# Altium PCB TelemetryBoard.PcbDoc
Units mm, origin at the board's own origin, x right, y up, seen from the top; angles counter-clockwise.
Board outline 136.75 x 63.75 mm, 4 copper layers (Top Layer, Internal Plane 1, Internal Plane 2, Bottom Layer), stack 1.57 mm thick; 63 components, 63 nets, 330 pads, 67 vias.
Unrouted connection lines stored in the file: 6.
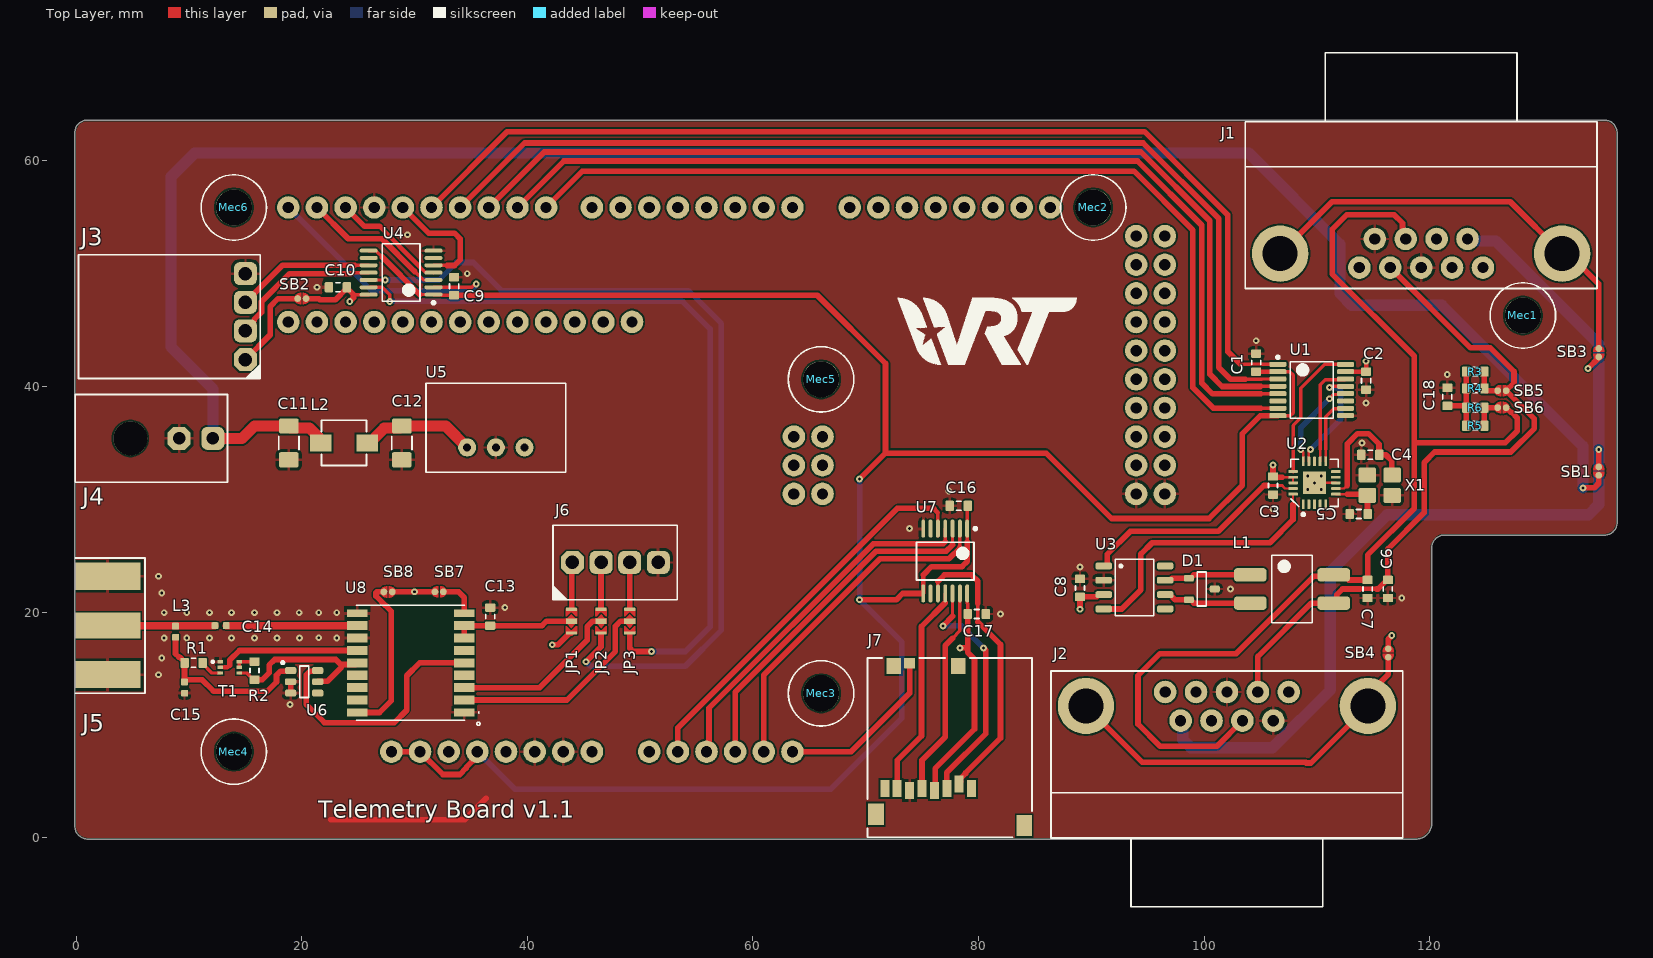
[diagram p0: Top Layer view]
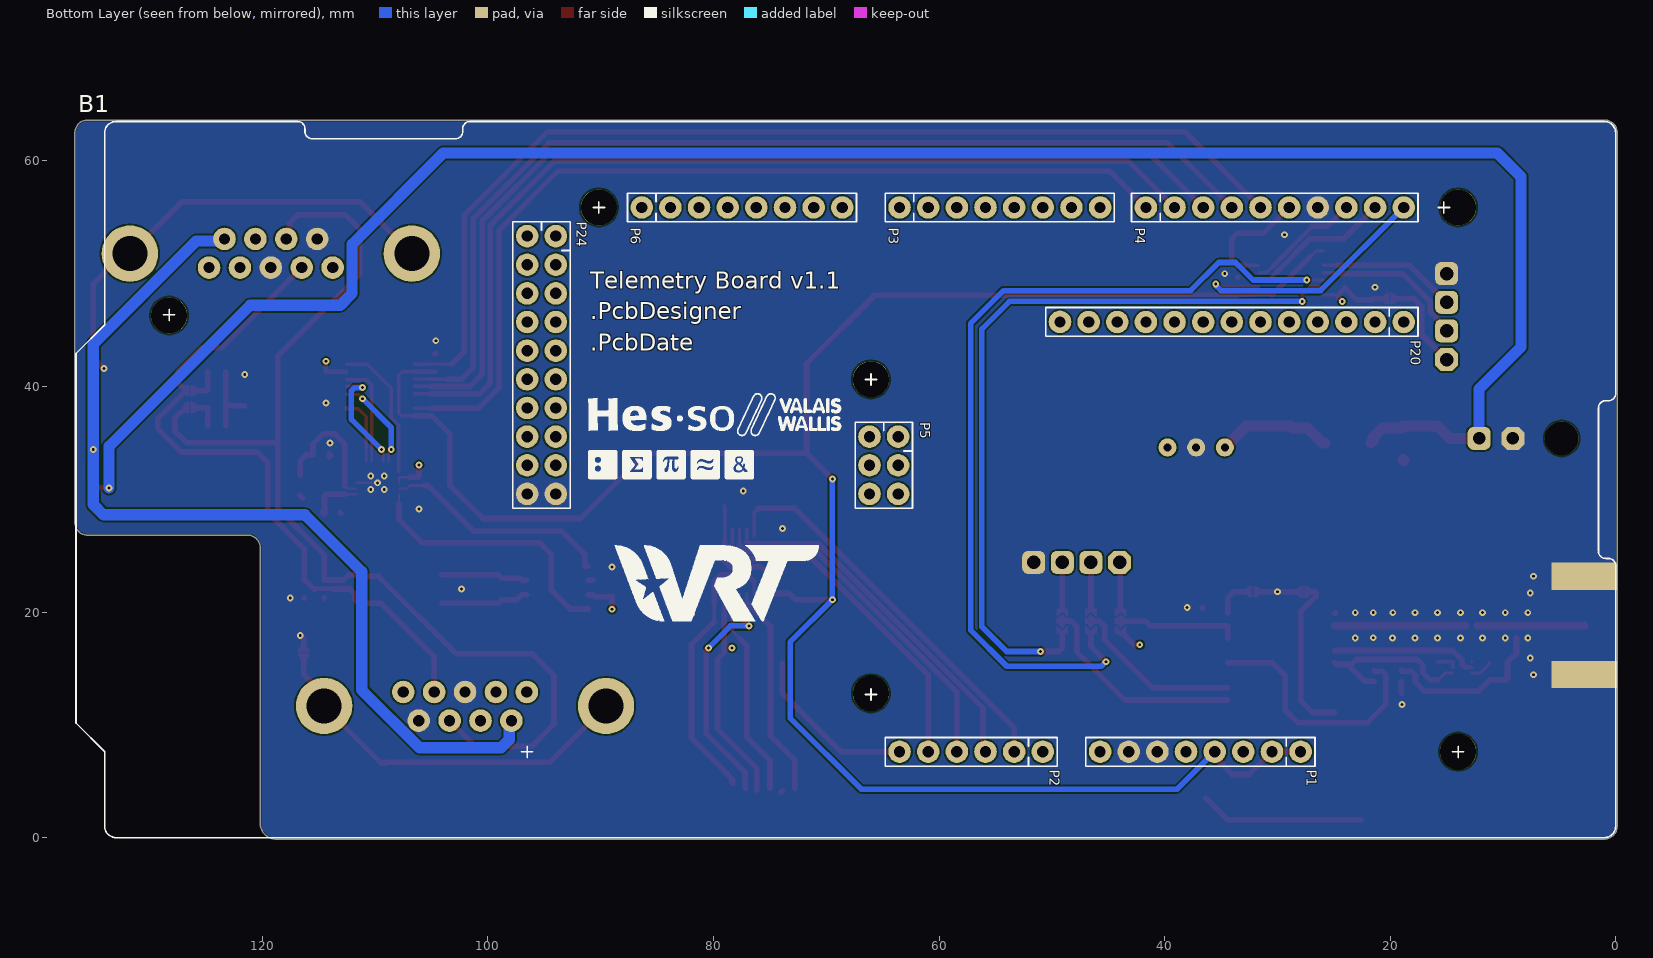
[diagram p1: Bottom Layer view, seen from below]
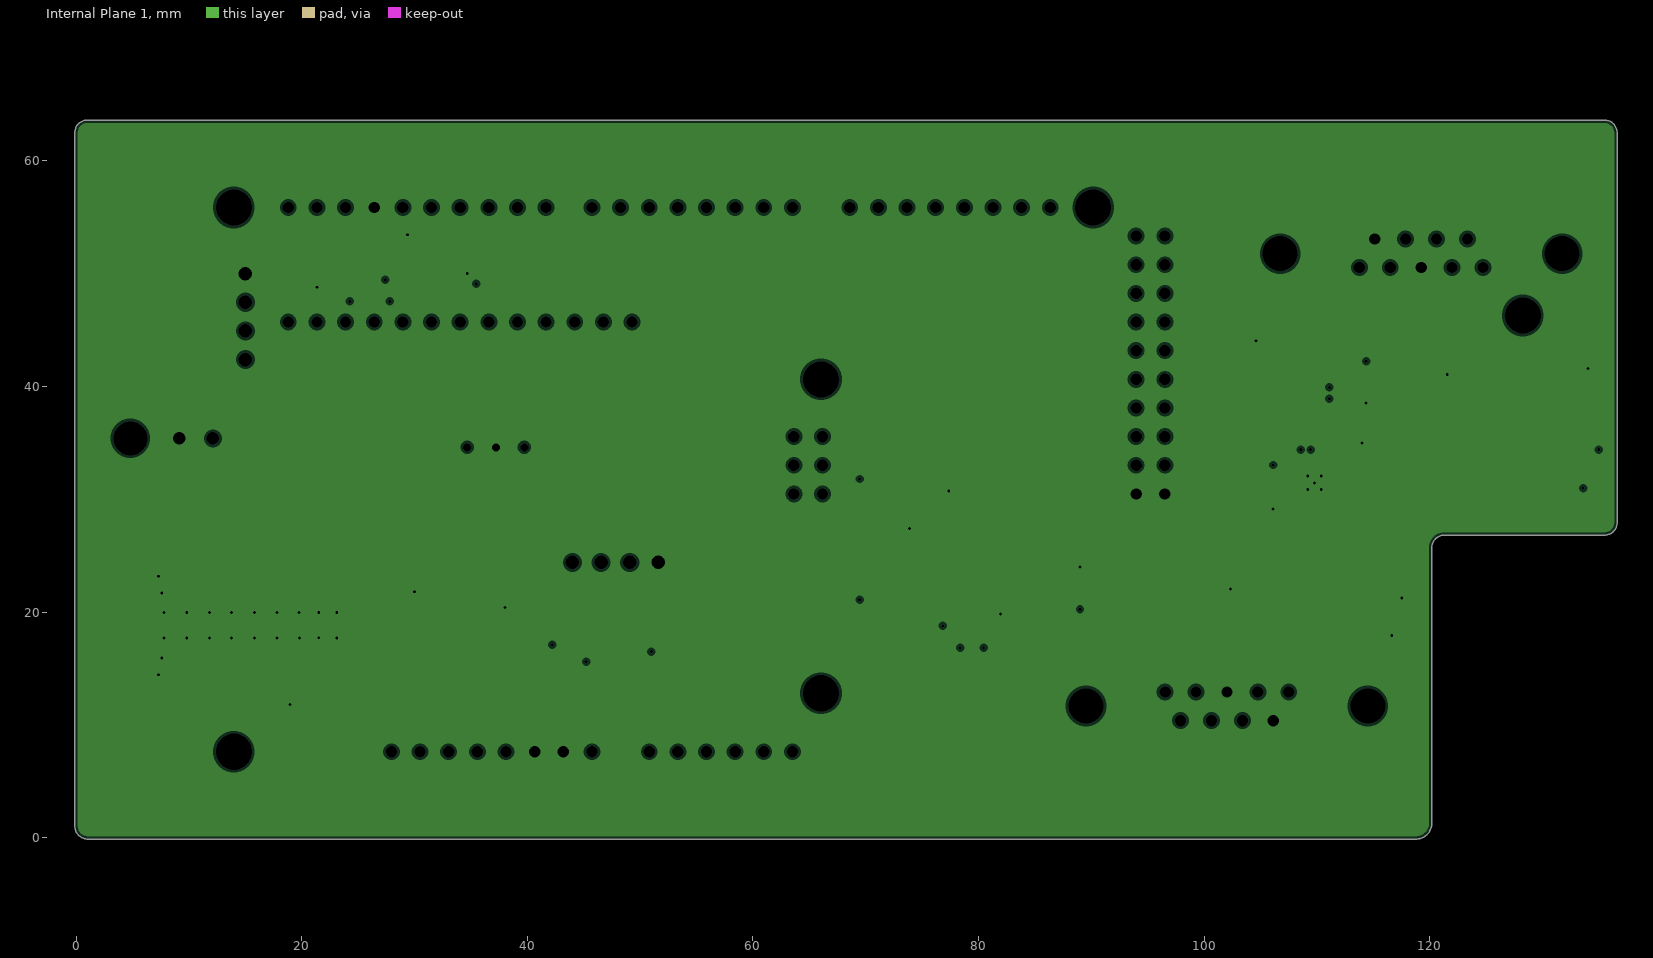
[diagram p2: Internal Plane 1, clearances drawn from the general rule]
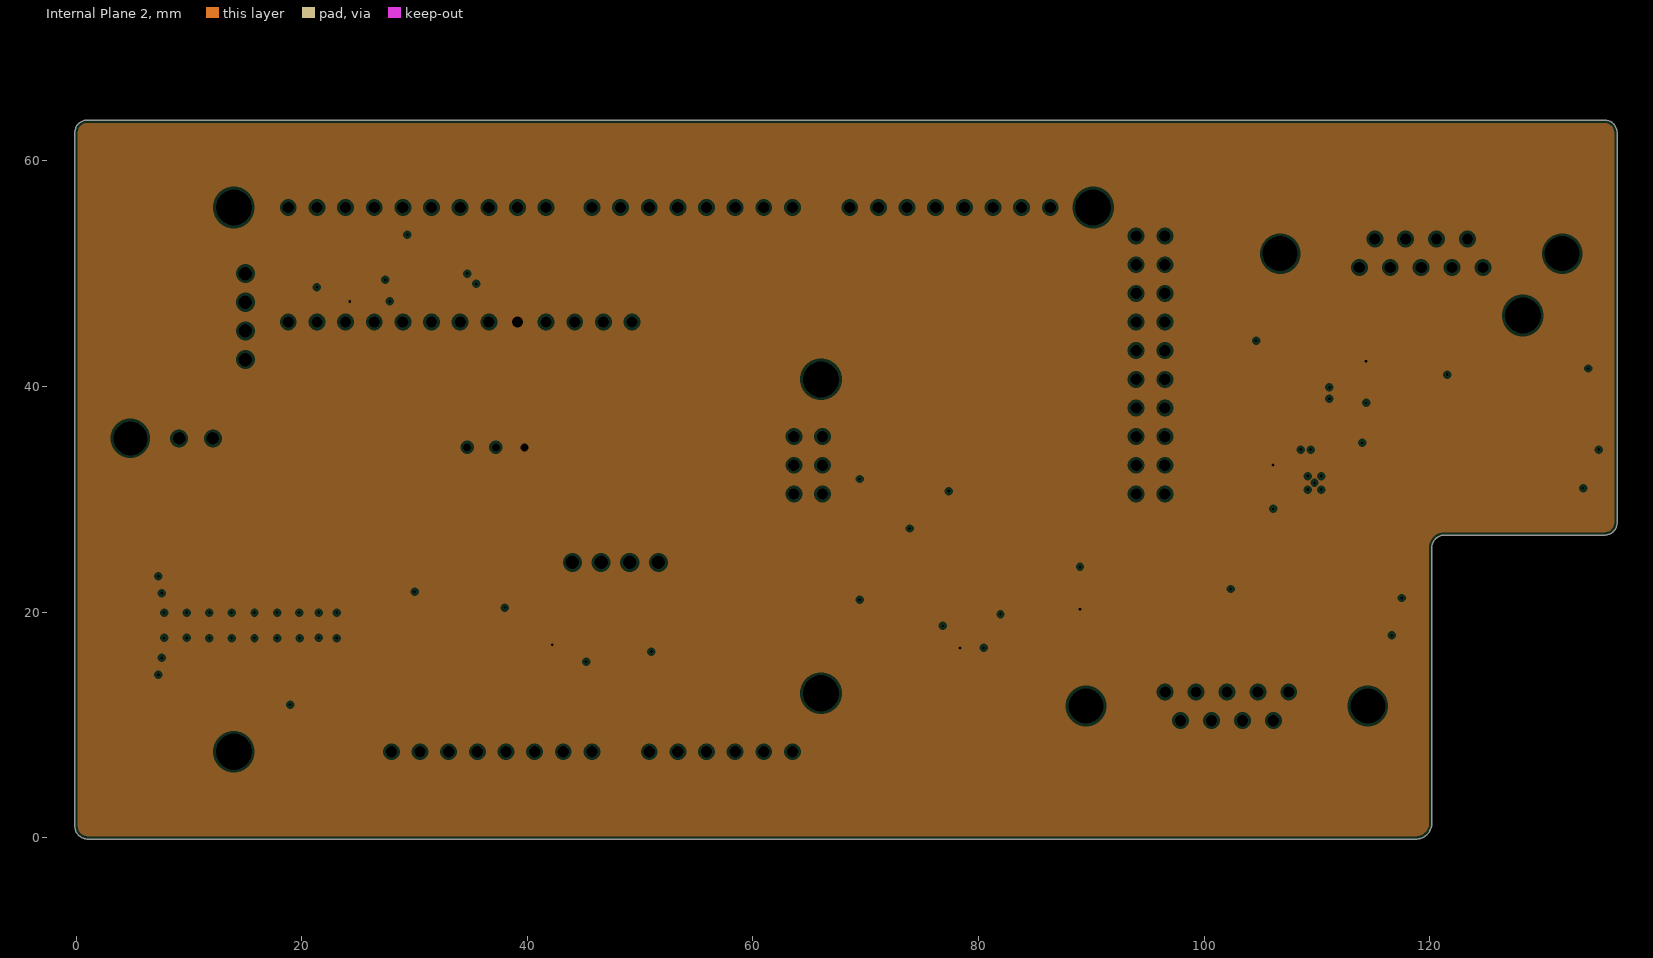
[diagram p3: Internal Plane 2, clearances drawn from the general rule]

## Layer stack, top to bottom
Top Solder: solder mask 0.01, Solder Resist, Dk 3.5
Top Layer: signal copper 0.035
Dielectric 1: prepreg 0.36, PR7826, Dk 4.32
Internal Plane 1: plane copper 0.035, net GND
Dielectric 3: core 0.71, FR-4, Dk 4.2
Internal Plane 2: plane copper 0.035, net +3.3
Dielectric 2: prepreg 0.36, PR7826, Dk 4.32
Bottom Layer: signal copper 0.035
Bottom Solder: solder mask 0.01, Solder Resist, Dk 3.5

## Board outline
1.016,-0.127 118.792,-0.127 ccw(c118.792,1.27) 120.189,1.27 120.189,25.686 cw(c121.332,25.686) 121.332,26.829 135.531,26.829 ccw(c135.531,27.925) 136.627,27.925 136.627,28.188 136.627,62.484 ccw(c136.5,62.484) 136.627,62.492 ccw(c136.501,62.5) 136.627,62.5 ccw(c135.5,62.5) 135.5,63.627 0.973,63.627 ccw(c0.973,62.527) -0.127,62.527 -0.127,1.016 ccw(c1.016,1.016)

## Design rules (kind name [scope] priority, off if disabled: settings)
AcuteAngle [All] p1 off: minimum=9.00000000000000E+0001 checktracksonly=TRUE
AssemblyTestPointUsage [All] p1 off:
AssemblyTestpoint [All] p1 off: testpointundercomponent=TRUE minsize=1.016 maxsize=2.54 preferedsize=1.524 minholesize=0 maxholesize=1.016 preferedholesize=0.813 testpointgrid=0.025 usegrid=TRUE gridtolerance=0 allowsidetop=TRUE allowsidebottom=TRUE
BoardOutlineClearance [All] p1 off: gap=0.25 ignorepadtopadclearanceinfootprint=FALSE
Clearance Clearance_3 [All] p1: gap=0.15 ignorepadtopadclearanceinfootprint=FALSE except(0: Arc-Hole Track-Hole SMDPad-Hole THPad-Hole Via-Hole Fill-Hole Poly-Hole Region-Hole Text-Hole)
Clearance Clearance_2 [InNamedPolygon('GND_L01_P000')] p2: gap=0.15 ignorepadtopadclearanceinfootprint=FALSE except(0: Arc-Hole Track-Hole SMDPad-Hole THPad-Hole Via-Hole Fill-Hole Poly-Hole Region-Hole Text-Hole)
Clearance Clearance_1 [InNamedPolygon('GND_L01_P001')] p3: gap=0.15 ignorepadtopadclearanceinfootprint=FALSE except(0: Arc-Hole Track-Hole SMDPad-Hole THPad-Hole Via-Hole Fill-Hole Poly-Hole Region-Hole Text-Hole)
Clearance [All] p4: gap=0.15 ignorepadtopadclearanceinfootprint=FALSE except(0: Arc-Hole Track-Hole SMDPad-Hole THPad-Hole Via-Hole Fill-Hole Poly-Hole Region-Hole Text-Hole)
ComponentClearance [All] p1 off: gap=0.25 collisioncheckmode=3 verticalgap=0.25 showdistances=FALSE
DiffPairsRouting [All] p1 off: maxlimit=0.254 minlimit=0.254 mostfreqgap=0.254 toplayer_minwidth=0.381 toplayer_maxwidth=0.381 toplayer_prefwidth=0.381 bottomlayer_minwidth=0.381 bottomlayer_maxwidth=0.381 bottomlayer_prefwidth=0.381 maxuncoupledlength=12.7
FabricationTestPointUsage [All] p1 off: valid=0 allowmultiple=FALSE
FabricationTestpoint [All] p1 off: side=3 testpointundercomponent=TRUE minsize=1.016 maxsize=2.54 preferedsize=1.524 minholesize=0 maxholesize=1.016 preferedholesize=0.813 testpointgrid=0.025 allowsidetop=TRUE allowsidebottom=TRUE usegrid=TRUE gridtolerance=0
FanoutControl Fanout_BGA [IsBGA] p1 off: bgadir=Out bgaviamode=Centered fanoutstyle=Auto fanoutdirection=Alternating viagrid=0.025 // Fanout_BGA (Default Rule)
FanoutControl Fanout_LCC [IsLCC] p2 off: bgadir=Out bgaviamode=Centered fanoutstyle=Auto fanoutdirection=Alternating viagrid=0.025 // Fanout_LCC (Default Rule)
FanoutControl Fanout_SOIC [IsSOIC] p3 off: bgadir=Out bgaviamode=Centered fanoutstyle=Auto fanoutdirection=Alternating viagrid=0.025 // Fanout_SOIC (Default Rule)
FanoutControl Fanout_Small [(CompPinCount < 5)] p4 off: bgadir=Out bgaviamode=Centered fanoutstyle=Auto fanoutdirection=OutThenIn viagrid=0.025 // Fanout_Small (Default Rule)
FanoutControl Fanout_Default [All] p5 off: bgadir=Out bgaviamode=Centered fanoutstyle=Auto fanoutdirection=Alternating viagrid=0.025 // Fanout_Default (Default Rule)
Height [All] p1 off: minheight=0 maxheight=25.4 prefheight=12.7
HoleSize [All] p1: absolutevalues=TRUE maxlimit=3.5 minlimit=0.25 maxpercent=80.000 minpercent=20.000
HoleToHoleClearance [All] p1 off: gap=0.25 allowstackedmicrovias=TRUE
LayerPairs [All] p1 off: enforce=TRUE
MinimumAnnularRing [All] p1 off: minimumring=0.175
MinimumSolderMaskSliver [All] p1 off: minsoldermaskwidth=0
NetAntennae [All] p1 off: netantennaetolerance=0
PasteMaskExpansion [All] p1 off: expansion=0
PlaneClearance [All] p1: clearance=0.25
PlaneConnect [All] p1: planeconnectstyle=Direct reliefexpansion=0.5 reliefentries=4 reliefconductorwidth=0.25 reliefairgap=0.25
PolygonConnect PolygonConnect_7 [All vs IsNamedPolygon('GND_L04_P002')] p1: thpad.connectstyle=Relief thpad.reliefconductorwidth=0.254 thpad.reliefentries=4 thpad.polygonreliefangle="90 Angle" thpad.airgapwidth=0.254 smdpad.connectstyle=Relief smdpad.reliefconductorwidth=0.254 smdpad.reliefentries=4 smdpad.polygonreliefangle="90 Angle" smdpad.airgapwidth=0.254 via.connectstyle=Direct via.reliefconductorwidth=0.254 via.reliefentries=4 via.polygonreliefangle="90 Angle" via.airgapwidth=0.254
PolygonConnect PolygonConnect_6 [All vs IsNamedPolygon('GND_L01_P000')] p2: thpad.connectstyle=Relief thpad.reliefconductorwidth=0.254 thpad.reliefentries=4 thpad.polygonreliefangle="90 Angle" thpad.airgapwidth=0.254 smdpad.connectstyle=Relief smdpad.reliefconductorwidth=0.254 smdpad.reliefentries=4 smdpad.polygonreliefangle="90 Angle" smdpad.airgapwidth=0.254 via.connectstyle=Direct via.reliefconductorwidth=0.254 via.reliefentries=4 via.polygonreliefangle="90 Angle" via.airgapwidth=0.254
PolygonConnect PolygonConnect_5 [All vs IsNamedPolygon('GND_L01_P000')] p3: connectstyle=Relief reliefconductorwidth=0.254 reliefentries=4 polygonreliefangle="90 Angle" airgapwidth=0.254
PolygonConnect PolygonConnect_4 [All vs IsNamedPolygon('GND_L01_P000')] p4: thpad.connectstyle=Relief thpad.reliefconductorwidth=0.254 thpad.reliefentries=4 thpad.polygonreliefangle="90 Angle" thpad.airgapwidth=0.254 smdpad.connectstyle=Relief smdpad.reliefconductorwidth=0.254 smdpad.reliefentries=4 smdpad.polygonreliefangle="90 Angle" smdpad.airgapwidth=0.254 via.connectstyle=Direct via.reliefconductorwidth=0.254 via.reliefentries=4 via.polygonreliefangle="90 Angle" via.airgapwidth=0.254
PolygonConnect PolygonConnect_3 [All vs IsNamedPolygon('GND_L01_P001')] p5: thpad.connectstyle=Relief thpad.reliefconductorwidth=0.254 thpad.reliefentries=4 thpad.polygonreliefangle="90 Angle" thpad.airgapwidth=0.254 smdpad.connectstyle=Relief smdpad.reliefconductorwidth=0.254 smdpad.reliefentries=4 smdpad.polygonreliefangle="90 Angle" smdpad.airgapwidth=0.254 via.connectstyle=Direct via.reliefconductorwidth=0.254 via.reliefentries=4 via.polygonreliefangle="90 Angle" via.airgapwidth=0.254
PolygonConnect PolygonConnect_2 [All vs IsNamedPolygon('GND_L01_P001')] p6: thpad.connectstyle=Direct thpad.reliefconductorwidth=0.254 thpad.reliefentries=4 thpad.polygonreliefangle="90 Angle" thpad.airgapwidth=0.254 smdpad.connectstyle=Relief smdpad.reliefconductorwidth=0.254 smdpad.reliefentries=4 smdpad.polygonreliefangle="90 Angle" smdpad.airgapwidth=0.254 via.connectstyle=Relief via.reliefconductorwidth=0.254 via.reliefentries=4 via.polygonreliefangle="90 Angle" via.airgapwidth=0.254
PolygonConnect PolygonConnect_1 [All vs IsNamedPolygon('GND_L01_P001')] p7: connectstyle=Relief reliefconductorwidth=0.254 reliefentries=4 polygonreliefangle="90 Angle" airgapwidth=0.254
PolygonConnect [All] p8: connectstyle=Direct reliefconductorwidth=0.25 reliefentries=4 polygonreliefangle="90 Angle" airgapwidth=0.25
RoutingCorners [All] p1 off: cornerstyle=45-Degree minsetback=2.5 maxsetback=2.5
RoutingLayers [All] p1 off: top layer_v5=TRUE bottom layer_v5=TRUE
RoutingPriority [All] p1 off: routingpriority=0
RoutingTopology [All] p1 off: topology=Shortest
RoutingVias [All] p1: holewidth=0.25 width=0.6 viastyle="Through Hole" minholewidth=0.15 minwidth=0.5 maxholewidth=0.9 maxwidth=1.5 useviatemplates=TRUE viatemplateguid#1={857F750E-5D3C-416E-893E-D7E0D3E4223C} viatemplatename#1=v60h25m0mx0
SilkToBoardRegionClearance [All] p1 off:
SilkToSilkClearance [All] p1 off: silktosilkclearance=0
SilkToSolderMaskClearance [IsPad] p1 off: minsilkscreentomaskgap=0 clearancetoexposedcopper=TRUE
SolderMaskExpansion [All] p1: expansion=0 istentingtop=FALSE
Width [All] p1: maxlimit=4 minlimit=0.15 preferedwidth=0.5 minimp=50.000000 maximp=50.000000 favimp=50.000000
3 further rules are at their usual default settings.

## Classes and differential pairs
component class nRF7002-DK: B1 C9 C10 C11 C12 J3 J4 L2 Mec1 Mec2 Mec3 Mec4 Mec5 Mec6 SB2 U4 U5
component class GPS-SD: C13 C14 C15 C16 C17 J5 J6 J7 JP1 JP2 JP3 L3 R1 R2 SB7 SB8 T1 U6 U7 U8
component class CanController: C1 C2 C3 C4 C5 C6 C7 C8 C18 D1 J1 J2 L1 R3 R4 R5 R6 SB1 SB3 SB4 SB5 SB6 U1 U2 U3 X1

## Components (designator, comment, footprint, x,y, rotation, side; value= is the part's Value field where it differs from the comment)
B1 "NRF52DK socket" "nRF5340DK SOCKET" 0,63.5 r0 bottom locked
C1 "100n" "CAPACITOR 1608 REFLOW" 104.618,42.123 r270 top
C2 "100n" "CAPACITOR 1608 REFLOW" 114.367,40.521 r90 top
C3 "100n" "CAPACITOR 1608 REFLOW" 106.118,31.223 r90 top
C4 "22pF" "CAPACITOR 1608 REFLOW" 114.738,33.948 r0 top
C5 "22pF" "CAPACITOR 1608 REFLOW" 113.717,28.7 r0 top
C6 "100pF" "CAPACITOR 1608 REFLOW" 116.3,22.048 r90 top
C7 "100pF" "CAPACITOR 1608 REFLOW" 114.5,22.048 r90 top
C8 "100n" "CAPACITOR 1608 REFLOW" 89,22.148 r270 top
C9 "100n" "CAPACITOR 1608 REFLOW" 33.5,48.9 r90 top
C10 "100n" "CAPACITOR 1608 REFLOW" 23.2,48.8 r0 top
C11 "10uF" "CAPACITOR 3216 REFLOW" 18.841,35 r270 top
C12 "10uF" "CAPACITOR 3216 REFLOW" 28.866,35 r270 top
C13 "100n" "CAPACITOR 1608 REFLOW" 36.7,19.6 r90 top
C14 "47pF" "CAPACITOR 1005 REFLOW" 12.8,18.8 r0 top
C15 "10nF" "CAPACITOR 1005 REFLOW" 9.6,13.3 r90 top
C16 "100n" "CAPACITOR 1608 REFLOW" 78.248,29.427 r0 top
C17 "100n" "CAPACITOR 1608 REFLOW" 79.848,19.827 r180 top
C18 "4.7nF" "CAPACITOR 1608 REFLOW" 121.57,39.086 r270 top
D1 "ESDCAN__-2BLY" "SOT23 P0.95 C1.6x3.0 H1.3" 99.8,22.048 r0 top
J1 "D-SUB 9 FEM GROUNDED" "D-SUB 9 FEM Amphenol LD09S13A4GX00LF" 119.249,55.987 r90 top
J2 "D-SUB 9 FEM GROUNDED" "D-SUB 9 FEM Amphenol LD09S13A4GX00LF" 102.029,7.474 r270 top
J3 "MOLEX 22057048" "MOLEX 22057048" 15,46.2 r270 top
J4 "MOLEX 43045-0200" "MOLEX 43045-0200" 10.615,35.4 r270 top
J5 "732511150" "SMA EDGE Molex 732511150" -0.1,18.8 r0 top locked
J6 "MOLEX 22272041" "MOLEX 22272041" 47.8,24.4 r180 top
J7 "GTC MEM20_1-00-195-00-A" "SD MICRO GCT MEM2051-00-195-00-A" 77.448,8.027 r0 top
JP1 "{Value}" "JUMPER3 SMD 1608" 43.9,19.2 r90 top
JP2 "{Value}" "JUMPER3 SMD 1608" 46.53,19.2 r90 top
JP3 "{Value}" "JUMPER3 SMD 1608" 49.07,19.2 r90 top
L1 "*" "L CM 2X B82793C EPCOS" 107.8,22.048 r0 top
L2 "*" TCK141 23.741,35 r0 top
L3 "27nH" "INDUCTOR 1005 REFLOW" 8.8,18.265 r90 top
Mec1 "" "Screw Hex Socket M3X5 Unconnected" 128.27,46.3 r0 top locked
Mec2 "" "Screw Hex Socket M3X5 Unconnected" 90.17,55.88 r0 top locked
Mec3 "" "Screw Hex Socket M3X5 Unconnected" 66.04,12.8 r0 top locked
Mec4 "" "Screw Hex Socket M3X5 Unconnected" 13.97,7.62 r0 top locked
Mec5 "" "Screw Hex Socket M3X5 Unconnected" 66.04,40.64 r0 top locked
Mec6 "" "Screw Hex Socket M3X5 Unconnected" 13.97,55.88 r0 top locked
R1 "10" "RESISTOR 1608 REFLOW" 10.4,15.5 r180 top
R2 "100k" "RESISTOR 1608 REFLOW" 15.8,14.809 r90 top
R3 "120" "RESISTOR 1608 REFLOW" 124.046,41.323 r0 top
R4 "120" "RESISTOR 1608 REFLOW" 124.046,39.836 r0 top
R5 "120" "RESISTOR 1608 REFLOW" 124.046,36.524 r0 top
R6 "120" "RESISTOR 1608 REFLOW" 124.046,38.124 r0 top
SB1 "*" "Solder Bridge 1mm Unconnected" 135,32.5 r90 top net-tie
SB2 "*" "Solder Bridge 1mm Unconnected" 20,47.8 r0 top net-tie
SB3 "*" "Solder Bridge 1mm Unconnected" 135,43 r90 top net-tie
SB4 "*" "Solder Bridge 1mm Unconnected" 116.329,16.374 r270 top net-tie
SB5 "*" "Solder Bridge 1mm Unconnected" 126.41,39.636 r0 top net-tie
SB6 "*" "Solder Bridge 1mm Unconnected" 126.41,38.131 r0 top net-tie
SB7 "*" "Solder Bridge 1mm Unconnected" 32.175,21.8 r0 top net-tie
SB8 "*" "Solder Bridge 1mm Unconnected" 27.647,21.791 r0 top net-tie
T1 "Si1016X" "SOT563F P0.5 C1.6x1.2 H0.6" 13.6,15.1 r0 top
U1 "TXB0106PWR" "TSSOP16 P0.65 C5.0x4.5 H1.1" 109.543,39.696 r0 top
U2 "MCP2515I/ML" "QFN20 P0.5 T2.05x2.05 C4.0x4.0 H0.85" 109.792,31.46 r90 top
U3 "SN65HVD232D" "SO8 P1.27 C4.0X5.0 H1.75" 93.825,22.183 r0 top
U4 "TXB0104PWR" "TSSOP14 P0.65 C4.4x5.0 H1.1" 28.8,50.1 r180 top
U5 "*" "TRACO TSR 1" 37.2,34.6 r0 top
U6 "SN74LVC2G17" "SOT23-6 P0.95 C1.5x3.0 H1.3" 20.204,13.819 r0 top
U7 "TXB0104PWR" "TSSOP14 P0.65 C4.4x5.0 H1.1" 77.048,24.527 r270 top
U8 "MAX-M10S-00B" MAXM10S00B 29.65,15.5 r0 top
X1 "*" "CRYSTAL C3.2x2.5 Kyocera CX3225SB" 115.578,31.248 r0 top
